# KiCad board RS64c.kicad_pcb (continued)
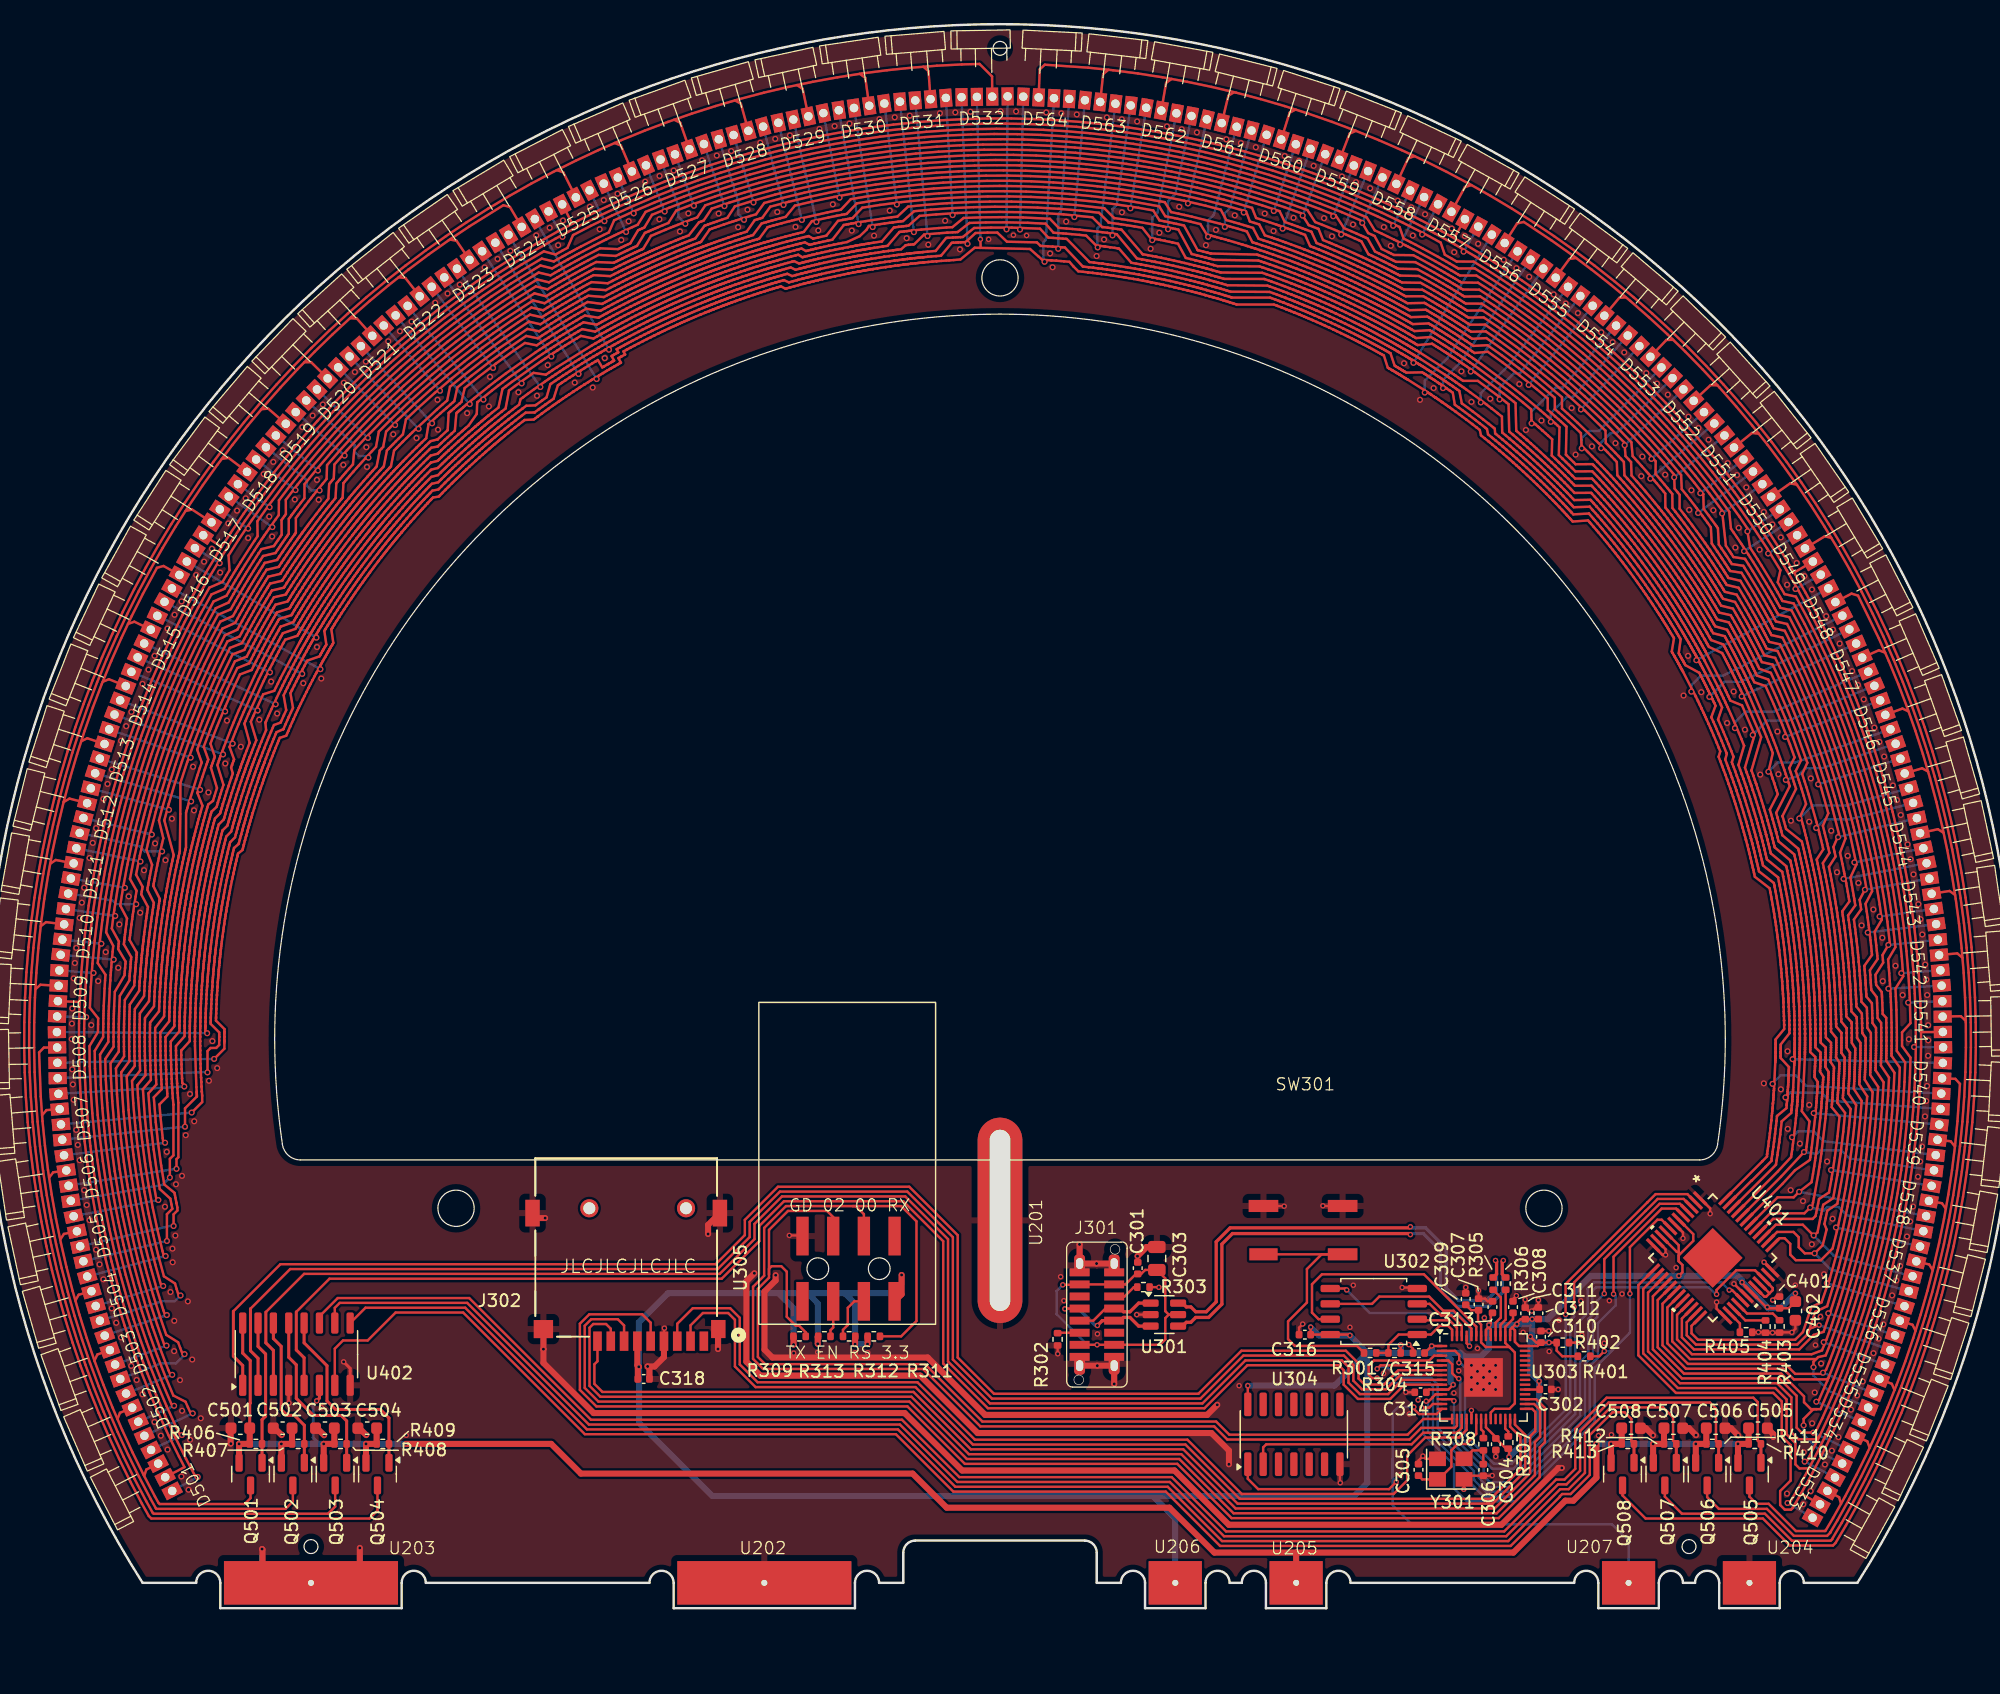
[diagram p0: board, top side]
## Routing (per net, layer and track width the routed paths; a pad name or vN(x,y) marks a point on that pad's centre or on a via; arc(x,y) is an arc through that point) (continued)
  Bottom w0.2: D514.1 v2(19.9,74.22) ; D522.1 v2(42.06,102.65) ; D554.1 v2(127.73,101.24) ; D538.1 v2(152.75,36.27) ; D546.1 v2(148.95,72.11) ; D530.1 v2(75.47,116.18) ; D562.1 v2(94.79,115.86) ; D506.1 v2(14.93,38.52)
LED_B06: length 320.4
  Top w0.2: U401.43 148.72,35.11 149.76,36.24 151,37.1 151.04,37.33 151.09,37.73 151.15,38.14 151.43,40.63 151.47,41.02 151.48,41.17 151.51,41.42 151.52,41.57 151.54,41.82 151.55,41.97 151.57,42.21 151.58,42.37 151.59,42.6 151.61,42.76 151.62,42.98 151.63,43.16 151.64,43.37 151.65,43.55 151.39,43.95 151.39,44.02 151.39,44.15 151.4,44.33 151.41,44.43 151.41,44.52 151.42,44.71 151.42,44.83 151.42,44.9 151.43,45.09 151.43,45.27 151.44,45.47 151.44,45.63 151.02,46.03 151.02,46.22 151.03,46.42 151.03,46.59 151.03,46.69 151.03,46.81 151.03,46.95 151.03,47.09 151.03,47.24 151.03,47.49 151.03,47.6 151.02,47.89 151.02,47.97 151.02,48.28 151.02,48.34 151.01,48.67 151.01,48.71 151,49.06 150.99,49.28 150.99,49.45 150.97,49.84 150.97,49.86 150.96,50.22 150.95,50.39 150.94,50.51 150.94,50.6 150.92,50.88 150.92,50.98 150.9,51.25 150.89,51.35 150.89,51.48 150.88,51.64 150.85,52.02 150.85,52.06 150.82,52.39 150.81,52.5 150.79,52.72 150.79,52.77 150.76,53.09 150.76,53.14 150.73,53.45 150.71,53.65 150.69,53.82 150.65,54.24 150.6,54.68 150.59,54.75 150.57,54.9 150.53,55.27 150.52,55.35 150.48,55.64 150.46,55.8 150.46,55.84 150.43,56.02 150.38,56.4 150.38,56.43 150.33,56.78 150.31,56.87 150.28,57.09 150.27,57.16 150.22,57.46 150.21,57.54 150.16,57.83 150.14,57.99 150.1,58.2 150.04,58.58 149.96,59.03 149.95,59.08 149.92,59.25 149.85,59.62 149.84,59.68 149.78,60 149.74,60.16 149.7,60.36 149.62,60.75 149.55,61.12 149.53,61.2 149.48,61.42 149.46,61.51 149.4,61.79 149.38,61.89 148.09,62.97 148.05,63.12 148.01,63.3 147.99,63.36 147.91,63.67 147.89,63.76 147.81,64.04 147.78,64.16 147.72,64.38 147.68,64.53 147.62,64.76 147.6,64.84 147.51,65.13 147.49,65.21 147.38,65.59 147.27,65.97 147.19,66.23 147.16,66.35 147.01,66.81 146.88,67.25 146.81,67.46 146.69,67.83 146.68,67.86 146.57,68.19 146.53,68.31 146.45,68.53 146.44,68.56 146.32,68.91 146.31,68.92 146.19,69.28 146.17,69.34 146.97,72.09 146.78,72.55 145.63,75.22 145.46,75.59 145.4,75.72 145.29,75.95 145.23,76.09 145.13,76.31 145.06,76.45 144.95,76.66 144.88,76.81 144.78,77.01 144.71,77.16 144.61,77.36 144.53,77.51 144.44,77.7 144.36,77.86 144.26,78.04 144.18,78.21 144.09,78.38 144,78.55 143.91,78.72 143.82,78.89 143.74,79.05 142.65,79.56 142.58,79.68 142.52,79.78 142.45,79.92 142.4,80 142.33,80.13 142.25,80.27 142.13,80.47 142.05,80.62 141.97,80.75 141.93,80.81 141.85,80.96 141.79,81.06 141.74,81.15 141.64,81.31 141.6,81.38 141.54,81.49 141.44,81.65 141.34,81.82 141.24,81.98 141.14,82.15 141.03,82.31 140.92,82.5 140.83,82.64 140.73,82.8 140.61,82.99 140.53,83.12 140.42,83.29 140.33,83.43 140.26,83.54 140.21,83.61 140.12,83.75 140.06,83.85 140.01,83.93 139.86,84.15 139.76,84.3 139.73,84.35 139.64,84.48 139.43,84.79 139.4,84.83 139.22,85.1 139.15,85.2 139.03,85.38 139,85.41 138.82,85.68 138.78,85.72 138.6,85.98 138.49,86.14 138.39,86.28 138.14,86.62 137.88,86.98 137.84,87.03 137.75,87.15 137.52,87.45 137.48,87.51 137.3,87.75 137.2,87.88 137.17,87.91 137.06,88.05 136.83,88.36 136.81,88.38 136.59,88.66 136.53,88.73 136.4,88.9 136.35,88.96 136.16,89.2 136.11,89.26 135.93,89.49 135.82,89.62 135.69,89.78 135.44,90.08 135.15,90.42 135.11,90.46 135,90.59 134.76,90.88 134.72,90.93 134.51,91.17 134.4,91.3 134.26,91.45 134,91.75 133.74,92.03 133.69,92.09 133.54,92.25 133.48,92.32 133.28,92.53 133.21,92.61 133.02,92.81 132.93,92.91 131.56,92.9 131.45,93.01 131.32,93.15 131.28,93.19 131.05,93.42 130.99,93.48 130.78,93.69 130.7,93.78 130.53,93.94 130.42,94.05 130.26,94.21 130.2,94.27 129.98,94.49 129.92,94.54 129.64,94.81 129.35,95.09 129.15,95.28 129.06,95.36 128.71,95.69 128.37,96 128.2,96.15 127.92,96.4 127.89,96.42 127.63,96.66 127.53,96.74 127.36,96.89 127.34,96.91 127.06,97.15 127.04,97.16 126.76,97.41 126.71,97.45 126.65,99.74 126.51,99.85 126.14,100.15 125.64,100.54 123.3,102.28 122.97,102.51 122.85,102.6 122.65,102.74 122.52,102.83 122.32,102.96 122.19,103.05 122,103.19 121.86,103.28 121.67,103.4 121.53,103.5 121.35,103.62 121.21,103.71 121.03,103.83 120.88,103.93 120.71,104.04 120.55,104.14 120.39,104.24 120.23,104.34 120.07,104.45 119.9,104.55 119.75,104.65 118.55,104.54 118.43,104.61 118.33,104.67 118.2,104.75 118.11,104.8 117.99,104.87 117.85,104.96 117.64,105.07 117.5,105.16 117.37,105.23 117.3,105.27 117.15,105.36 117.05,105.41 116.96,105.47 116.81,105.55 116.74,105.59 116.62,105.66 116.46,105.75 116.28,105.84 116.12,105.93 115.94,106.03 115.77,106.12 115.58,106.22 115.43,106.3 115.27,106.39 115.07,106.49 114.94,106.56 114.75,106.66 114.6,106.74 114.49,106.79 114.41,106.83 114.27,106.91 114.16,106.96 114.08,107 113.83,107.12 113.68,107.2 113.62,107.23 113.48,107.3 113.14,107.46 113.1,107.48 112.8,107.63 112.7,107.67 112.5,107.77 112.46,107.79 112.17,107.92 112.12,107.95 111.83,108.08 111.77,108.11 111.65,108.16 111.5,108.23 111.42,108.27 111.12,108.4 111.06,108.43 110.7,108.58 110.64,108.61 110.51,108.67 110.34,108.74 110.16,108.81 110.09,108.84 109.97,108.89 109.82,108.96 109.67,109.02 109.6,109.05 109.46,109.1 109.23,109.2 109.09,109.26 108.85,109.35 108.76,109.39 108.67,109.43 108.46,109.51 108.4,109.53 108.11,109.64 108.04,109.67 107.76,109.78 107.61,109.84 107.41,109.91 107.05,110.04 106.62,110.2 106.57,110.22 106.41,110.27 106.05,110.4 106,110.42 105.69,110.52 102.28,110.55 102.13,110.59 101.94,110.64 101.88,110.66 101.57,110.74 101.49,110.77 101.21,110.84 101.09,110.88 100.87,110.93 100.72,110.97 100.49,111.03 100.41,111.05 100.11,111.13 100.03,111.15 99.65,111.24 99.27,111.34 99,111.4 98.88,111.43 98.41,111.53 97.96,111.63 97.74,111.68 97.37,111.76 97.33,111.76 96.99,111.83 96.87,111.86 96.64,111.9 96.61,111.91 96.25,111.98 96.23,111.98 95.86,112.05 95.8,112.06 94.05,114.09 93.95,114.11 93.72,114.14 93.32,114.2 92.93,114.25 92.53,114.31 92.45,114.31 91.64,115.12 89.26,115.36 87.5,115.47 85.75,115.54 83.99,115.56 82.23,115.54 80.48,115.47 78.72,115.36 77.35,115.23 76.43,114.42 76.24,114.4 76.02,114.37 75.85,114.35 75.62,114.32 75.32,114.29 75.22,114.27 74.22,113.12 74.22,113.12 73.54,113.02 73.19,112.96 73.11,112.95 72.92,112.91 72.74,112.88 72.59,112.86 72.52,112.85 72.41,112.83 72.2,112.79 72.03,112.76 71.81,112.72 71.65,112.69 71.42,112.64 71.05,112.57 70.97,112.56 70.71,112.5 70.37,112.43 70.31,112.42 69.91,112.34 69.52,112.25 69.22,112.18 68.83,112.09 68.63,112.05 68.44,112 68.24,111.95 68.13,111.93 68.05,111.91 67.86,111.86 67.76,111.83 67.66,111.81 67.31,112.02 67.1,111.96 66.72,111.86 66.65,111.85 66.31,111.75 66.06,111.68 65.94,111.65 65.74,111.59 65.57,111.55 65.36,111.49 65.2,111.44 65.08,111.41 64.99,111.38 64.9,111.35 64.7,111.29 64.53,111.24 64.32,111.18 64.16,111.13 63.95,111.06 63.82,111.02 63.58,110.94 63.46,110.9 63.29,110.85 63.25,110.84 63.09,110.79 62.89,110.72 62.55,110.6 62.46,110.57 62.17,110.48 62.1,110.45 61.89,110.38 61.74,110.33 61.55,110.26 61.38,110.2 61.19,110.13 61.03,110.07 60.9,110.02 60.83,110 60.64,109.93 60.48,109.87 60.37,109.83 60.27,109.79 60.17,109.75 60.01,109.69 59.85,109.63 59.81,109.61 59.67,109.56 59.54,109.51 59.38,109.45 59.32,109.42 59.18,109.36 59.12,109.34 58.97,109.28 58.82,109.22 58.77,109.2 58.46,109.08 58.36,109.03 57.98,108.87 57.81,108.8 57.64,108.73 57.45,108.65 57.29,108.58 57.11,108.5 56.96,108.43 56.81,108.37 56.65,108.3 56.46,108.21 56.3,108.14 56.11,108.05 55.96,107.99 55.83,107.92 55.77,107.9 55.62,107.82 55.43,107.74 55.28,107.67 55.17,107.61 55.1,107.58 54.95,107.51 54.83,107.45 54.77,107.42 54.49,107.29 54.37,107.23 54.18,107.13 54.15,107.12 53.85,106.97 53.81,106.95 53.52,106.8 53.47,106.78 53.13,106.6 52.79,106.42 52.68,106.36 52.45,106.24 52.36,106.19 52.18,106.1 52.04,106.02 51.86,105.92 51.76,105.87 51.53,105.74 51.41,105.68 51.29,105.6 51.06,105.48 50.97,105.43 50.72,105.28 50.65,105.25 50.37,105.08 49.33,105.3 49.01,105.11 48.68,104.91 48.36,104.71 48.03,104.51 47.7,104.3 47.38,104.09 47.05,103.88 46.72,103.66 46.39,103.45 46.06,103.22 43.62,101.5 43.12,101.12 42.84,100.91 42.51,99.38 41.97,98.95 41.69,98.72 41.63,98.67 41.49,98.55 41.35,98.43 41.23,98.34 41.17,98.29 41.09,98.22 40.93,98.08 40.79,97.97 40.63,97.82 40.5,97.71 40.41,97.64 40.32,97.56 40.11,97.38 39.98,97.27 39.81,97.12 39.77,97.08 39.52,96.86 39.47,96.81 39.23,96.6 39.17,96.54 38.88,96.27 38.65,96.07 38.36,95.79 38.21,95.65 38.07,95.52 37.92,95.38 37.83,95.3 37.77,95.24 37.63,95.1 37.56,95.03 37.48,94.96 36.93,94.82 36.92,94.81 36.64,94.54 36.59,94.49 36.34,94.24 36.16,94.05 36.07,93.96 35.93,93.81 35.8,93.69 35.66,93.53 35.54,93.41 35.45,93.32 35.39,93.25 35.33,93.19 35.18,93.03 35.06,92.9 34.91,92.74 34.79,92.62 34.64,92.45 34.55,92.36 34.38,92.17 34.3,92.07 34.15,91.92 34.04,91.79 33.9,91.63 33.64,91.34 33.6,91.29 33.38,91.04 33.35,91 33.2,90.83 33.1,90.71 32.97,90.56 32.85,90.43 32.72,90.27 32.6,90.12 32.52,90.03 32.47,89.97 32.4,89.89 32.34,89.82 32.23,89.68 32.16,89.59 32.09,89.51 32.03,89.43 31.92,89.3 31.81,89.17 31.78,89.13 31.69,89.01 31.6,88.9 31.5,88.77 31.46,88.72 31.36,88.6 31.33,88.55 31.22,88.42 31.12,88.3 31.09,88.26 30.89,87.99 30.82,87.9 30.57,87.58 30.46,87.43 30.35,87.28 30.22,87.12 30.12,86.98 30,86.81 29.91,86.68 29.81,86.55 29.71,86.41 29.59,86.24 29.49,86.1 29.36,85.93 29.27,85.8 29.18,85.68 29.15,85.62 29.05,85.49 28.93,85.32 28.84,85.18 28.77,85.08 28.72,85.01 28.63,84.88 28.55,84.77 28.51,84.71 28.34,84.46 28.27,84.34 28.15,84.17 28.13,84.14 27.95,83.86 27.93,83.83 27.75,83.55 27.72,83.51 27.54,83.23 27.51,83.18 27.34,82.92 27.3,82.86 27.24,82.75 27.14,82.6 27.1,82.53 27.04,82.44 26.94,82.27 26.85,82.13 26.74,81.95 26.69,81.86 26.54,81.62 26.48,81.52 26.41,81.4 26.35,81.29 26.28,81.18 26.22,81.08 26.15,80.96 26.08,80.83 26.04,80.77 25.95,80.62 25.87,80.48 24.87,80.16 24.74,79.93 24.68,79.83 24.5,79.49 24.32,79.16 24.14,78.82 23.96,78.48 23.78,78.13 23.6,77.78 23.42,77.43 23.25,77.08 23.07,76.72 21.83,74.01 21.58,73.43 21.49,73.21 21.93,71.62 21.92,71.61 21.68,70.97 21.55,70.64 21.52,70.56 21.45,70.39 21.39,70.22 21.34,70.07 21.31,70.01 21.27,69.9 21.2,69.7 21.14,69.53 21.07,69.33 21.01,69.17 20.94,68.95 20.81,68.59 20.79,68.52 20.7,68.26 20.6,67.94 20.58,67.88 20.45,67.49 20.33,67.11 20.24,66.82 20.12,66.44 20.06,66.24 20.01,66.05 19.95,65.86 19.92,65.74 19.89,65.67 19.84,65.47 19.81,65.37 19.78,65.28 19.37,64.87 19.29,64.59 19.25,64.42 19.19,64.2 19.16,64.08 19.09,63.82 19.06,63.71 19.01,63.51 18.97,63.33 18.91,63.13 18.87,62.96 18.84,62.84 18.82,62.75 18.8,62.66 18.75,62.46 18.71,62.28 18.66,62.07 18.62,61.9 18.58,61.69 18.55,61.56 18.5,61.34 18.47,61.18 18.42,60.98 18.39,60.81 18.34,60.6 18.27,60.22 18.25,60.15 18.18,59.78 18.14,59.56 18.11,59.41 18.07,59.21 18.04,59.04 18,58.83 17.97,58.67 17.95,58.53 17.94,58.45 17.92,58.35 17.89,58.14 17.86,57.97 17.82,57.76 17.8,57.59 17.77,57.42 17.76,57.38 17.74,57.23 17.7,57 17.68,56.86 17.65,56.65 17.63,56.49 17.61,56.33 17.6,56.28 17.55,55.9 17.54,55.83 17.49,55.42 17.47,55.25 17.44,55.06 17.42,54.85 17.4,54.69 17.38,54.48 17.36,54.32 17.34,54.16 17.32,53.98 17.3,53.78 17.29,53.61 17.27,53.4 17.25,53.24 17.24,53.09 17.23,53.02 17.22,52.86 17.2,52.65 17.19,52.49 17.18,52.36 17.17,52.28 17.16,52.12 17.15,51.98 17.14,51.91 17.12,51.61 17.11,51.47 17.1,51.23 17.08,50.89 17.07,50.85 17.05,50.47 17.04,50.09 17.02,49.7 17.02,49.58 17.01,49.32 17,49.22 17,49.01 16.99,48.85 16.99,48.64 16.98,48.53 16.98,48.28 16.98,48.14 16.98,47.99 16.97,47.74 16.97,47.63 16.97,47.34 16.97,47.26 16.97,46.94 16.26,46.15 16.27,45.77 16.28,45.39 16.29,45.01 16.3,44.62 16.32,44.24 16.33,43.85 16.35,43.46 16.52,43.29 v2(16.52,43.18)
  Bottom w0.2: D555.1 v2(122.94,102.35) ; D547.1 v2(145.36,75.46) ; D531.1 v2(80.08,115.3) ; D523.1 v2(46.89,103.59) ; D515.1 v2(23.6,77.46) ; D539.1 v2(151.32,40.97) ; D563.1 v2(90.15,115.13) ; D507.1 v2(16.52,43.18)
LED_B07: length 322.3
  Top w0.2: v2(141.61,78.46) 141.71,78.58 ; 141.71,78.58 141.8,78.42 141.88,78.27 141.97,78.1 142.06,77.94 142.1,77.87 142.16,77.75 142.23,77.61 142.31,77.45 142.35,77.39 142.4,77.28 142.48,77.13 142.57,76.95 142.65,76.8 142.74,76.61 142.82,76.46 142.91,76.27 142.99,76.12 143.08,75.92 143.16,75.76 143.25,75.58 143.32,75.44 143.34,75.4 143.42,75.23 143.48,75.09 143.58,74.87 143.64,74.74 143.74,74.55 143.4,73.55 143.41,73.52 143.66,72.97 143.83,72.57 143.85,72.52 144.08,71.98 144.1,71.93 144.26,71.54 144.26,71.53 144.49,70.96 144.66,70.53 144.68,70.46 144.54,70.02 144.6,69.86 144.68,69.64 144.82,69.27 144.95,68.9 144.97,68.85 145.08,68.53 145.1,68.48 145.22,68.14 145.23,68.11 145.3,67.89 145.34,67.78 145.45,67.45 145.46,67.42 145.58,67.06 145.65,66.85 145.78,66.42 145.92,65.98 145.96,65.86 146.03,65.6 146.15,65.22 146.25,64.85 146.27,64.78 146.36,64.49 146.38,64.41 146.44,64.19 146.48,64.05 146.54,63.81 146.57,63.71 146.64,63.43 146.66,63.35 146.74,63.05 146.75,62.99 146.81,62.78 146.84,62.66 146.91,62.34 146.93,62.27 146.99,62.01 147.03,61.87 147.05,61.77 147.08,61.65 147.12,61.48 148.36,60.49 148.36,60.48 148.44,60.11 148.48,59.89 148.51,59.75 148.57,59.44 148.58,59.38 148.65,59.02 148.68,58.85 148.69,58.8 148.77,58.36 148.83,57.99 148.87,57.78 148.89,57.63 148.94,57.34 148.95,57.26 149,56.96 149.01,56.9 149.04,56.68 149.05,56.59 149.1,56.25 149.1,56.22 149.15,55.85 149.18,55.67 149.18,55.63 149.2,55.48 149.24,55.19 149.25,55.11 149.29,54.75 149.31,54.6 149.32,54.54 149.37,54.1 149.41,53.69 149.42,53.53 149.44,53.33 149.47,53.03 149.48,52.97 149.5,52.66 149.51,52.61 149.53,52.4 149.53,52.29 149.56,51.97 149.56,51.92 149.59,51.56 149.6,51.4 149.61,51.27 149.61,51.17 149.63,50.9 149.63,50.81 149.65,50.53 149.65,50.45 149.66,50.32 149.67,50.16 149.68,49.81 149.68,49.78 149.7,49.4 149.7,49.24 149.71,49.02 149.72,48.68 149.72,48.64 149.73,48.31 149.73,48.26 149.73,47.94 149.74,47.87 149.74,47.59 149.74,47.48 149.74,47.23 149.74,47.09 149.74,46.96 149.74,46.81 149.74,46.69 149.74,46.6 149.74,46.39 149.73,46.23 149.73,46.03 149.73,45.87 149.72,45.66 149.72,45.49 149.71,45.28 149.71,45.09 149.7,44.95 149.62,43.1 149.6,42.89 149.59,42.73 149.58,42.51 149.57,42.32 149.55,42.12 149.54,41.97 149.54,41.92 149.52,41.74 149.51,41.59 149.49,41.35 149.47,41.2 149.45,40.99 148.67,40.3 148.66,40.26 148.6,39.66 148.59,39.62 148.55,39.22 148.54,39.17 148.5,38.82 148.47,38.6 148.45,38.5 148.4,38.12 148.4,38.11 148.35,37.73 148.31,37.5 148.24,37.05 148.2,36.75 148.2,36.71 U401.46 ; 141.71,78.58 141.62,78.74 141.59,78.81 141.52,78.94 141.45,79.06 141.4,79.15 141.32,79.29 141.28,79.37 141.21,79.49 141.13,79.63 141.01,79.83 140.93,79.97 140.86,80.1 140.82,80.17 140.73,80.31 140.68,80.41 140.62,80.5 140.54,80.65 140.49,80.72 140.43,80.83 140.34,80.98 140.23,81.15 140.14,81.31 140.04,81.48 139.94,81.64 139.82,81.82 139.74,81.96 139.64,82.11 139.52,82.3 139.44,82.42 139.33,82.6 139.24,82.74 139.18,82.84 139.13,82.91 139.04,83.04 138.98,83.14 138.93,83.22 138.78,83.44 138.69,83.58 138.65,83.63 138.57,83.76 138.36,84.07 138.33,84.11 138.15,84.37 138.09,84.46 137.97,84.64 137.94,84.68 137.76,84.93 137.73,84.98 137.55,85.23 137.44,85.39 137.34,85.53 137.1,85.86 136.84,86.21 136.8,86.26 136.71,86.38 136.49,86.68 136.45,86.74 136.27,86.97 136.18,87.09 136.15,87.13 136.04,87.27 135.81,87.56 135.8,87.58 135.58,87.86 135.52,87.93 135.39,88.1 135.35,88.15 135.16,88.39 135.11,88.45 134.93,88.67 134.82,88.8 134.69,88.96 134.45,89.25 134.16,89.59 134.13,89.63 134.02,89.76 133.78,90.04 133.74,90.08 133.53,90.32 133.43,90.44 133.29,90.6 133.04,90.89 132.79,91.16 131.46,91.12 131.34,91.25 131.26,91.34 131.19,91.42 131.09,91.52 130.91,91.71 130.86,91.77 130.63,92 130.52,92.11 130.39,92.25 130.35,92.29 130.13,92.51 130.07,92.57 129.87,92.78 129.78,92.87 129.62,93.02 129.52,93.13 129.35,93.29 129.3,93.35 129.08,93.56 129.02,93.61 128.74,93.88 128.46,94.15 128.27,94.33 128.18,94.42 127.88,94.69 127.83,94.74 127.58,94.96 127.49,95.05 127.34,95.19 127.28,95.24 127.06,95.44 127.03,95.46 126.78,95.69 126.68,95.77 126.51,95.92 126.49,95.94 126.22,96.18 126.17,96.21 125.92,96.43 125.87,96.47 125.57,96.72 125.27,96.97 125.09,97.12 124.96,97.23 124.93,97.63 124.8,97.73 124.44,98.02 123.96,98.39 123.95,98.4 123.62,98.66 123.58,98.69 123.11,99.05 123.07,99.08 122.72,99.34 122.23,99.7 122.2,99.72 122,100.75 121.81,100.88 121.7,100.95 121.5,101.09 121.38,101.18 121.23,101.28 121.19,101.31 121.06,101.4 120.87,101.53 120.74,101.61 120.56,101.74 120.42,101.83 120.23,101.96 120.11,102.04 119.93,102.15 119.79,102.24 119.62,102.35 119.47,102.45 119.37,102.51 119.31,102.55 119.16,102.65 119,102.75 118.92,102.8 118.84,102.85 118.69,102.94 118.53,103.04 118.35,103.15 118.22,103.23 118.07,103.32 118.01,103.36 117.88,103.44 117.76,103.51 117.67,103.56 117.54,103.64 117.46,103.69 117.33,103.76 117.2,103.84 117,103.96 116.85,104.04 116.73,104.11 116.66,104.15 116.51,104.24 116.42,104.29 116.33,104.34 116.17,104.43 116.11,104.47 115.99,104.53 115.84,104.62 115.66,104.71 115.5,104.8 115.33,104.89 115.16,104.98 114.97,105.09 114.83,105.16 114.67,105.25 114.47,105.35 114.34,105.42 114.16,105.51 114.01,105.59 113.9,105.65 113.83,105.68 113.69,105.76 113.58,105.81 113.5,105.85 113.26,105.97 113.1,106.05 113.05,106.07 112.91,106.14 112.58,106.3 112.54,106.32 112.25,106.46 112.15,106.51 111.96,106.6 111.91,106.62 111.63,106.75 111.58,106.78 111.3,106.9 111.23,106.93 111.12,106.98 110.97,107.05 110.89,107.09 110.6,107.22 110.54,107.25 110.19,107.4 110.13,107.42 110,107.48 109.83,107.55 109.66,107.63 109.59,107.65 109.47,107.7 109.32,107.77 109.18,107.83 109.11,107.86 108.97,107.91 108.74,108.01 108.6,108.06 108.38,108.15 108.28,108.19 108.19,108.23 107.99,108.31 107.93,108.33 107.65,108.44 107.58,108.47 107.3,108.57 107.15,108.63 106.96,108.7 106.87,108.73 106.6,108.83 106.3,108.94 103.08,108.96 102.91,109.01 102.79,109.05 102.69,109.08 102.56,109.12 102.3,109.19 102.23,109.21 101.92,109.31 101.77,109.35 101.59,109.4 101.53,109.42 101.23,109.5 101.15,109.52 100.87,109.6 100.75,109.63 100.54,109.69 100.39,109.73 100.17,109.78 100.09,109.8 99.8,109.88 99.72,109.9 99.35,109.99 98.97,110.08 98.7,110.14 98.59,110.17 98.19,110.26 98.13,110.27 97.8,110.35 97.67,110.37 97.47,110.42 97.4,110.43 97.11,110.49 97.07,110.5 96.74,110.57 96.62,110.59 96.39,110.64 96.37,110.64 96.01,110.71 95.95,110.72 95.63,110.78 95.57,110.79 95.18,110.86 94.79,110.93 94.56,110.97 94.4,110.99 93.96,111.06 93.51,111.13 93.29,111.17 92.91,111.22 92.9,111.22 92.53,111.27 92.42,111.28 92.19,111.31 92.15,111.32 91.8,111.36 91.76,111.37 91.41,111.41 89.53,113.32 89.43,113.33 89.2,113.35 88.8,113.38 88.4,113.41 88,113.43 87.31,114.18 84.97,114.26 83.24,114.27 81.86,114.23 80.92,113.48 80.74,113.47 80.52,113.46 80.34,113.45 80.11,113.44 79.71,113.42 79.63,113.41 79.54,113.4 78.68,112.33 78.67,112.33 78.01,112.28 77.67,112.24 77.56,112.23 77.39,112.22 77.28,112.2 77.21,112.2 77.08,112.18 76.98,112.17 76.89,112.16 76.68,112.14 76.58,112.13 76.51,112.12 76.28,112.09 76.12,112.07 76.01,112.06 75.87,112.04 75.61,112.01 75.44,111.99 75.21,111.96 74.83,111.9 74.81,111.9 74.45,111.85 74.41,111.84 74.02,111.78 73.74,111.74 73.72,111.74 73.4,111.69 73.32,111.67 73.13,111.64 72.96,111.61 72.81,111.59 72.74,111.57 72.63,111.56 72.52,111.54 72.43,111.52 72.26,111.49 72.12,111.46 72.05,111.45 71.89,111.42 71.66,111.38 71.3,111.31 71.23,111.29 70.96,111.24 70.64,111.17 70.57,111.16 70.18,111.07 69.8,110.99 69.51,110.93 69.13,110.84 68.93,110.79 68.74,110.75 68.55,110.7 68.44,110.67 68.36,110.65 68.17,110.61 68.07,110.58 67.97,110.56 67.86,110.53 67.7,110.49 67.59,110.46 67.49,110.43 67.2,110.36 67.06,110.32 66.8,110.25 66.4,110.44 66.29,110.41 66.09,110.35 65.92,110.31 65.72,110.25 65.56,110.2 65.45,110.17 65.36,110.14 65.27,110.12 65.07,110.06 64.9,110.01 64.7,109.94 64.54,109.89 64.33,109.83 64.21,109.79 63.97,109.71 63.85,109.68 63.69,109.62 63.65,109.61 63.5,109.56 63.3,109.49 62.96,109.38 62.87,109.35 62.59,109.26 62.52,109.23 62.31,109.16 62.17,109.11 61.98,109.04 61.82,108.98 61.63,108.92 61.47,108.86 61.34,108.81 61.27,108.79 61.09,108.72 60.93,108.66 60.82,108.62 60.73,108.58 60.62,108.54 60.47,108.49 60.32,108.43 60.27,108.41 60.13,108.36 59.99,108.3 59.86,108.25 59.79,108.22 59.65,108.17 59.6,108.15 59.45,108.08 59.3,108.02 59.26,108.01 58.96,107.88 58.85,107.84 58.48,107.68 58.32,107.62 58.14,107.54 57.96,107.46 57.81,107.4 57.62,107.32 57.48,107.25 57.33,107.19 57.17,107.12 56.99,107.04 56.84,106.97 56.65,106.88 56.5,106.81 56.37,106.75 56.31,106.73 56.16,106.66 55.98,106.57 55.84,106.5 55.72,106.45 55.66,106.42 55.51,106.35 55.39,106.29 55.33,106.26 55.06,106.13 54.94,106.07 54.75,105.98 54.73,105.96 54.43,105.81 54.39,105.8 54.1,105.65 54.06,105.63 53.73,105.45 53.39,105.28 53.29,105.22 53.05,105.1 52.97,105.06 52.79,104.96 52.65,104.89 52.47,104.79 52.38,104.74 52.16,104.61 52.04,104.55 51.92,104.48 51.7,104.36 51.6,104.3 51.36,104.16 51.29,104.13 51.01,103.97 50.98,103.95 50.67,103.76 50.36,103.58 50.32,103.56 50.04,103.39 49.73,103.2 49.41,103 49.09,102.81 48.78,102.61 48.46,102.41 48.37,102.35 48.18,102.23 48.14,102.2 47.84,102 47.82,101.99 47.5,101.78 47.44,101.74 47.25,101.61 47.18,101.56 46.92,101.38 46.8,101.3 46.49,100.21 46.13,99.96 46.09,99.93 45.63,99.6 45.57,99.55 44.8,99.52 44.5,99.29 44.48,99.27 44.16,99.02 44.14,99.01 43.95,98.87 43.65,98.63 43.63,98.62 43.4,98.43 43.31,98.36 43.08,98.18 43,98.12 42.78,97.94 42.76,97.92 42.51,97.72 42.45,97.67 42.31,97.55 42.17,97.44 42.06,97.35 42,97.3 41.92,97.23 41.76,97.1 41.63,96.98 41.46,96.84 41.34,96.74 41.25,96.66 41.17,96.59 40.96,96.41 40.83,96.3 40.67,96.15 40.63,96.12 40.38,95.89 40.33,95.85 40.09,95.64 40.04,95.59 39.75,95.32 39.53,95.12 39.24,94.85 39.09,94.71 38.95,94.58 38.81,94.44 38.73,94.37 38.67,94.31 38.53,94.17 38.45,94.1 38.38,94.03 38.3,93.95 38.18,93.84 38.1,93.75 38.03,93.69 37.81,93.47 37.71,93.37 37.52,93.18 37,93.06 36.85,92.91 36.73,92.79 36.59,92.64 36.47,92.52 36.39,92.43 36.33,92.36 36.26,92.3 36.12,92.15 36,92.02 35.86,91.86 35.74,91.74 35.59,91.58 35.51,91.49 35.43,91.4 35.34,91.3 35.25,91.21 35.16,91.1 35.11,91.05 35,90.93 34.86,90.77 34.61,90.49 34.57,90.44 34.35,90.19 34.32,90.16 34.18,89.99 34.08,89.88 33.95,89.72 33.84,89.59 33.71,89.44 33.59,89.29 33.51,89.2 33.47,89.15 33.4,89.07 33.34,88.99 33.23,88.86 33.16,88.78 33.09,88.7 33.03,88.61 32.92,88.49 32.82,88.36 32.79,88.32 32.7,88.21 32.61,88.1 32.51,87.97 32.47,87.92 32.37,87.8 32.34,87.76 32.24,87.63 32.14,87.5 32.11,87.47 31.91,87.21 31.84,87.12 31.6,86.8 31.49,86.66 31.38,86.51 31.26,86.35 31.16,86.21 31.04,86.05 30.95,85.92 30.85,85.8 30.75,85.65 30.63,85.49 30.54,85.35 30.42,85.19 30.32,85.05 30.24,84.94 30.2,84.88 30.11,84.75 29.99,84.58 29.9,84.45 29.83,84.35 29.79,84.29 29.7,84.15 29.62,84.04 29.58,83.98 29.42,83.74 29.34,83.63 29.23,83.45 29.21,83.43 29.03,83.15 29.01,83.12 28.83,82.85 28.8,82.81 28.63,82.54 28.6,82.49 28.43,82.23 28.39,82.17 28.33,82.07 28.24,81.92 28.19,81.85 28.14,81.76 28.04,81.59 27.95,81.46 27.84,81.28 27.79,81.19 27.65,80.96 27.59,80.86 27.52,80.74 27.46,80.63 27.39,80.52 27.33,80.43 27.26,80.31 27.19,80.18 27.15,80.12 27.07,79.97 26.97,79.81 26.88,79.64 26.8,79.49 26.69,79.3 26.6,79.15 26.5,78.96 26.44,78.86 26.4,78.79 26.26,78.53 26.09,78.21 25.91,77.88 25.74,77.55 25.56,77.21 25.51,77.12 25.41,76.92 25.39,76.88 25.23,76.56 25.22,76.53 25.05,76.19 25.01,76.13 24.91,75.92 24.88,75.84 24.74,75.56 24.95,74.33 24.77,73.93 24.75,73.88 24.51,73.36 24.49,73.3 23.93,73.09 23.84,72.88 23.7,72.54 23.68,72.51 23.53,72.13 23.52,72.11 23.43,71.89 23.28,71.54 23.28,71.52 23.17,71.24 23.12,71.14 23.02,70.86 22.98,70.77 22.88,70.51 22.87,70.48 22.76,70.18 22.73,70.11 22.66,69.94 22.6,69.77 22.55,69.63 22.52,69.56 22.49,69.46 22.42,69.26 22.36,69.1 22.29,68.9 22.23,68.74 22.16,68.53 22.04,68.18 22.01,68.11 21.93,67.85 21.82,67.54 21.8,67.48 21.68,67.09 21.56,66.72 21.47,66.44 21.36,66.06 21.3,65.87 21.24,65.69 21.19,65.49 21.15,65.38 21.13,65.31 21.08,65.12 21.05,65.02 21.02,64.92 20.99,64.81 20.95,64.65 20.92,64.54 20.89,64.45 20.82,64.17 20.77,64.01 20.72,63.8 20.31,63.39 20.26,63.19 20.22,63.02 20.17,62.82 20.13,62.66 20.1,62.54 20.08,62.45 20.06,62.36 20.01,62.16 19.97,61.99 19.92,61.78 19.88,61.62 19.84,61.41 19.81,61.28 19.76,61.06 19.73,60.91 19.68,60.71 19.65,60.55 19.61,60.34 19.53,59.97 19.52,59.9 19.45,59.54 19.41,59.32 19.38,59.17 19.34,58.97 19.31,58.81 19.27,58.6 19.25,58.44 19.22,58.31 19.21,58.24 19.19,58.13 19.16,57.93 19.13,57.76 19.1,57.55 19.07,57.39 19.04,57.23 19.04,57.18 19.01,57.03 18.98,56.81 18.96,56.67 18.93,56.47 18.91,56.31 18.89,56.15 18.88,56.1 18.83,55.73 18.82,55.66 18.77,55.26 18.75,55.09 18.72,54.9 18.7,54.7 18.68,54.54 18.66,54.34 18.64,54.18 18.63,54.02 18.61,53.85 18.59,53.65 18.57,53.48 18.55,53.28 18.54,53.12 18.52,52.97 18.52,52.91 18.5,52.74 18.49,52.54 18.47,52.38 18.46,52.26 18.46,52.18 18.44,52.02 18.43,51.89 18.43,51.82 18.41,51.52 18.4,51.39 18.38,51.15 18.36,50.82 18.36,50.78 18.34,50.41 18.32,50.03 18.31,49.65 18.3,49.54 18.3,49.27 18.29,49.18 18.29,48.98 18.28,48.82 18.28,48.61 18.27,48.51 18.27,48.25 18.27,48.12 18.27,47.98 18.26,47.73 18.26,47.62
  Bottom w0.2: D524.1 v2(51.65,104.16) ; D516.1 v2(27.45,80.33) ; D508.1 v2(18.41,47.59) ; D532.1 v2(84.54,114.12) ; D556.1 v2(118.2,103.07) ; D540.1 v2(149.57,45.44) ; D564.1 v2(85.65,114.1) ; D548.1 v2(141.61,78.46)
